# Altium PCB VESC_DEVICE.PcbDoc (part 2 of 2)
Units mil, origin at the board's own origin, x right, y up, seen from the top; angles counter-clockwise.
Board outline 2716.54 x 2125.98 mil, 4 copper layers (TOP, LAYER_1, LAYER_2, BOTTOM), stack 62.139 mil thick; 117 components, 97 nets, 397 pads, 447 vias.
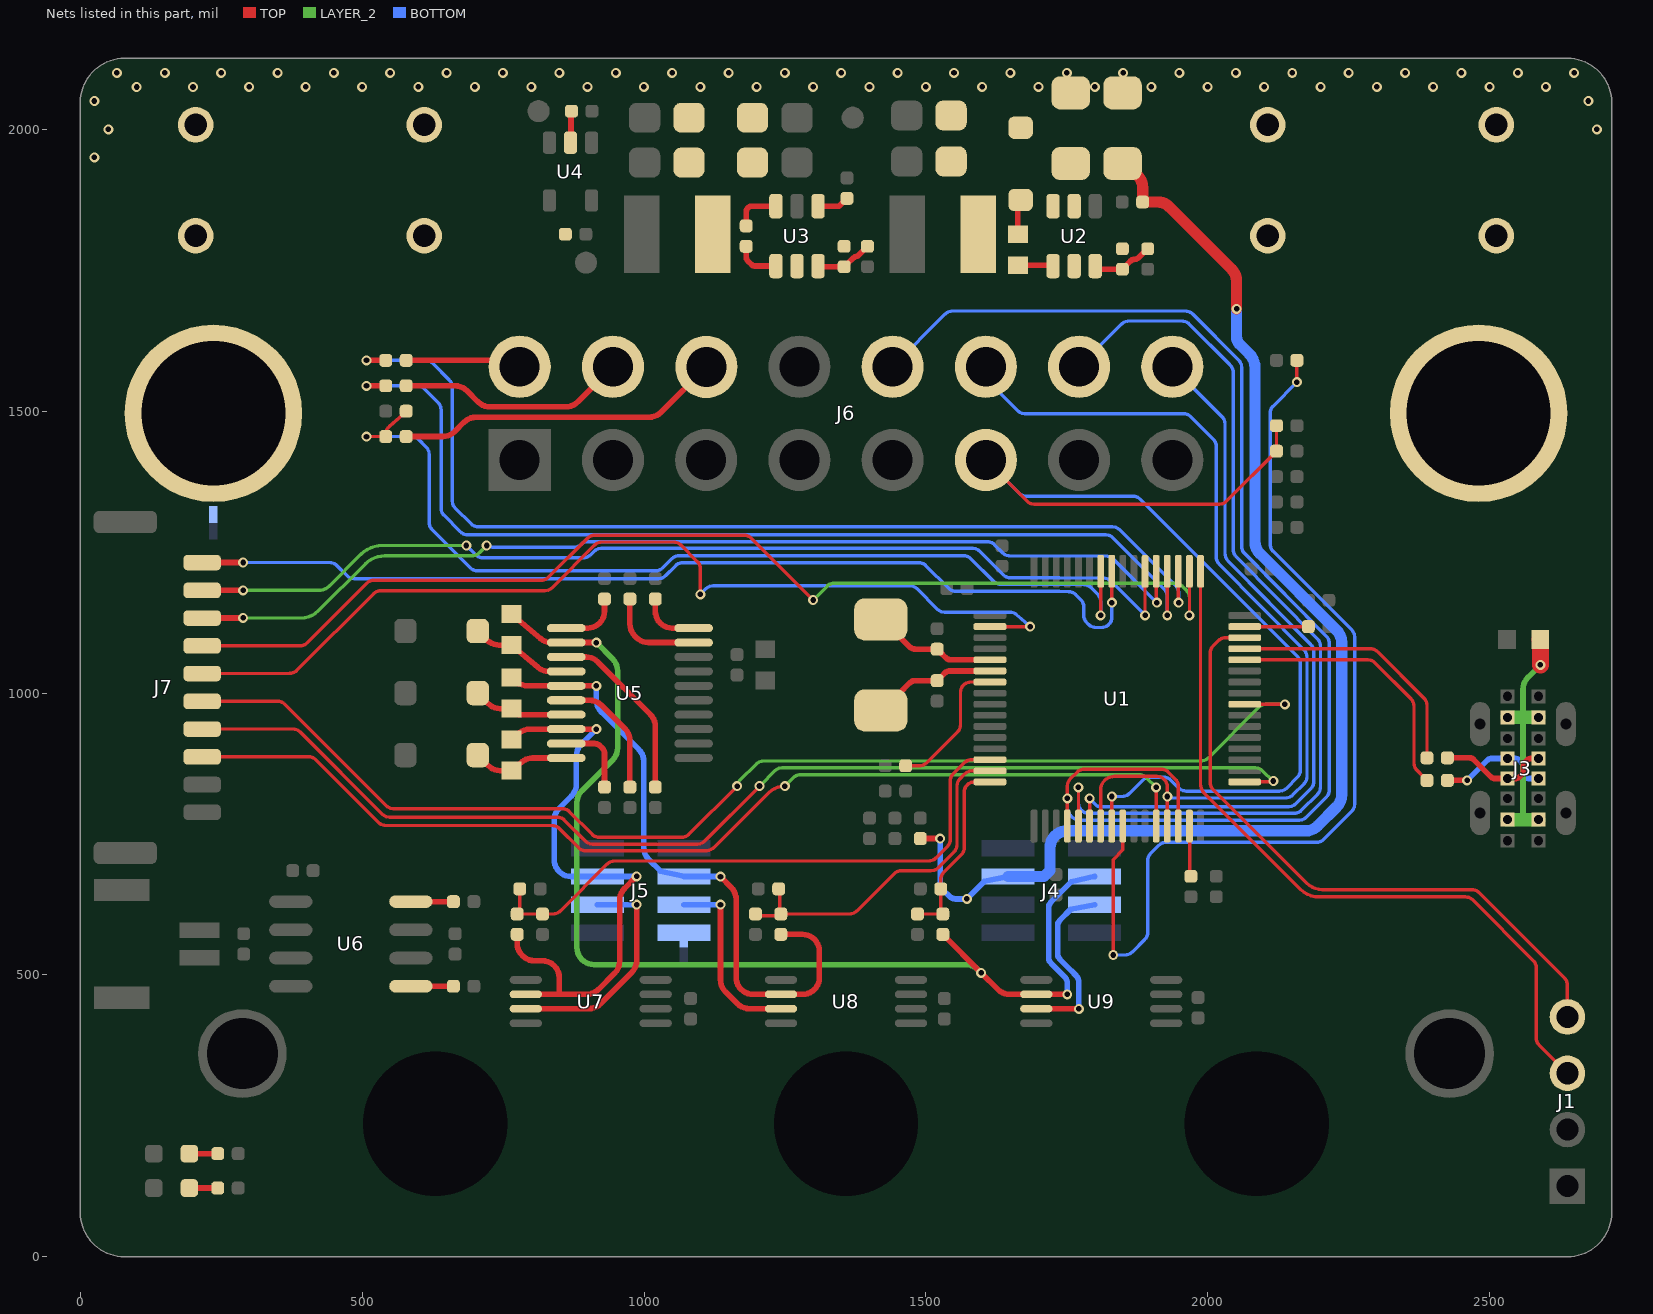
[diagram p4: the nets of this part, all layers, seen from the top]

## Via types
v1: diameter 17.72, hole 9.84, TOP to BOTTOM, tented both sides, 447 vias

## Nets (pads, with @x,y where several pads share a name; then routed paths per layer and width w, separated by ;. In a path a pad name is that pad's centre, name@x,y a point inside that pad or via, vN(x,y) a via of type N, cw(c..) or ccw(c..) an arc to the next point about the centre after c; other vN are vias at no path point) (continued)
M_TEMP: C39.1 J6.11 R37.1 U1.24 | length 1955
  TOP w6: J6.11@1606.3,1413.38 1679.36,1340.32 ccw(c1692.14,1353) 1692.14,1335 2020.3,1335 ccw(c2020.3,1353) 2033,1340.25 R37.1@2121.89,1429.13 2121.89,1434.61 C39.1@2121.89,1474.13 ; U1.24@1829.66,764.06 1829.66,809.96 cw(c1847.66,809.9) 1830,813.38 1830,814.14 1830,816.03 v1(1830,816.47)
  BOTTOM w6: J6.11@1606.3,1413.38 1665.48,1354.2 ccw(c1678.18,1366.96) 1678.18,1348.96 1867.49,1348.96 cw(c1867.49,1330.96) 1880.2,1343.71 2158.75,1065.15 cw(c2146,1052.45) 2164,1052.45 2164,863.07 cw(c2146,863.07) 2158.75,850.37 2139.77,831.39 cw(c2127.07,844.14) 2127.07,826.14 1961.52,826.14 cw(c1961.52,844.14) 1948.8,831.4 1934.69,845.51 ccw(c1921.98,832.76) 1921.98,850.76 1897.42,850.76 ccw(c1897.42,832.76) 1884.72,845.51 1860.92,821.72 cw(c1848.22,834.47) 1848.22,816.47 v1(1830,816.47)
MISO_ADC_EXT2: J6.16 U1.22 | length 1280
  TOP w6: U1.22@1790.29,764.06 v1(1790.29,813.38)
  BOTTOM w6: v1(1790.29,813.38) 1803.32,800.35 ccw(c1807.54,804.61) 1807.54,798.61 2143.63,798.61 ccw(c2143.63,816.61) 2156.34,803.86 2182.75,830.27 ccw(c2170,842.98) 2188,842.98 2188,1073.45 ccw(c2170,1073.45) 2182.8,1086.1 2035.66,1235.01 cw(c2048.45,1247.68) 2030.45,1247.68 2030.45,1477.54 ccw(c2012.45,1477.54) 2025.2,1490.25 J6.16@1958.68,1556.77
NetC4_2: C4.2 U1.5 Y1.2 | length 219.8
  TOP w10: Y1.2@1422.42,1130.71 Y1.2@1442.58,1112 ; Y1.2@1442.58,1111.97 ccw(c1456.29,1118.06) 1445.63,1107.51 1470.92,1082.22 ccw(c1481.52,1092.83) 1481.52,1077.83 C4.2@1520,1077.83 1525.48,1072.35 1534.58,1063.25 ccw(c1545.18,1073.86) 1545.18,1058.86 U1.5@1613.6,1058.86
NetC5_2: C5.2 U1.6 Y1.1 | length 222.8
  TOP w10: Y1.1@1420,969.3 1448.55,988 cw(c1463.51,989.16) 1452.86,999.72 1470.8,1017.66 cw(c1481.4,1007.05) 1481.4,1022.05 C5.2@1520,1022.05 1532.77,1034.81 cw(c1543.37,1024.2) 1543.37,1039.2 U1.6@1613.6,1039.17
NetC14_1: C14.1 U1.31 | length 89
  TOP w6: U1.31@1968,763.6 1968,680.48 C14.1@1970,675
NetC15_1: C15.1 U1.47 | length 113.1
  TOP w6: U1.47@2065.41,1117.91 C15.1@2178.48,1117.91
NetC16_1: C16.1 D3.1 L2.1 U2.6 | length 62.7
  TOP w10: C16.1@1662.99,1813.89 1662.99,1869.57 D3.1@1667.99,1874.57
NetC16_2: C16.2 U2.1 | length 63.1
  TOP w10: C16.2@1662.99,1758.7 1724.21,1758.7 U2.1@1725.54,1757.37
NetC17_1: C17.1 L1.1 U3.6 | length 83.4
  TOP w10: C17.1@1181.18,1828.58 1181.18,1853.57 cw(c1191.18,1853.57) 1191.18,1863.57 U3.6@1233.91,1863.57
NetC17_2: C17.2 U3.1 | length 79.8
  TOP w10: C17.2@1181.18,1792.36 1181.18,1773.61 ccw(c1191.18,1773.61) 1184.09,1766.56 1190.36,1760.28 ccw(c1197.42,1767.37) 1197.42,1757.37 U3.1@1233.91,1757.37
NetD1_2: D1.2 R10.2 | length 50.4
  TOP w10: D1.2@193.5,183 R10.2@243.89,183
NetD2_2: D2.2 R11.2 | length 50.4
  TOP w10: D2.2@193.5,122 238.41,122 R11.2@243.89,122
NetJ3_A4: J3.A4 J3.A9 J3.B4 J3.B9 R27.1 | length 551.5
  TOP w30: R27.1@2589.6,1095 2590,1093 v1(2590,1050)
  LAYER_2 w10: 2559.06,775.59 2559.06,956.69 2559.06,1006.64 cw(c2589.06,1006.64) 2567.84,1027.84 v1(2590,1050)
  LAYER_2 w24: J3.A4@2531.5,775.59 2559.06,775.59 J3.B9@2586.62,775.59 ; J3.A9@2531.5,956.69 2531.7,956.69 2559.06,956.69 2586.42,956.69 J3.B4@2586.62,956.69
  BOTTOM w20: J3.A4@2531.5,775.59 J3.B9@2586.62,775.59 ; J3.A9@2531.5,956.69 2533.7,956.69 2584.42,956.69 J3.B4@2586.62,956.69
NetJ3_A6: J3.A6 J3.B6 R28.1 | length 198.7
  TOP w10: R28.1@2425,885 2464.57,885 cw(c2464.57,875) 2471.62,882.09 2502.4,851.31 ccw(c2509.43,858.42) 2509.43,848.42 2546.1,848.42 ccw(c2546.1,858.42) 2553.15,851.34 2557.09,855.27 ccw(c2550,862.32) 2560,862.32 2560,870.86 cw(c2570,870.86) 2562.91,877.91 2565.95,880.95 cw(c2573.01,873.87) 2573.01,883.87 J3.B6@2586.62,883.87
NetJ3_A7: J3.A7 J3.B7 R29.1 | length 202.3
  TOP w10: R29.1@2425,845 v1(2460,845)
  BOTTOM w10: v1(2460,845) 2495.95,880.95 cw(c2503.01,873.87) 2503.01,883.87 2545.92,883.87 cw(c2545.92,873.87) 2552.98,880.95 2555.89,878.04 cw(c2548.8,870.99) 2558.8,870.99 2558.8,858.77 ccw(c2568.8,858.77) 2561.71,851.71 2562.09,851.34 ccw(c2569.14,858.42) 2569.14,848.42 J3.B7@2586.62,848.42
NetJ5_8: J5.8 JP2.1
NetJ6_2: J6.2 R31.1 | length 206.1
  TOP w10: R31.1@578.11,1590 768.28,1590 J6.2@779.53,1578.75
NetJ6_4: J6.4 R32.1 | length 407.9
  TOP w10: R32.1@578.11,1545 664.72,1545 cw(c664.72,1515) 685.92,1536.23 705.8,1516.35 ccw(c726.97,1537.6) 726.97,1507.6 861.31,1507.6 ccw(c861.31,1537.6) 882.51,1516.38 J6.4@944.88,1578.75
NetJ6_6: J6.6 R30.1 | length 579.8
  TOP w10: R30.1@578.11,1455 643,1455 ccw(c643,1485) 664.2,1463.77 680.88,1480.45 cw(c702.08,1459.23) 702.08,1489.23 1009.05,1489.23 ccw(c1009.05,1519.23) 1030.26,1498.02 J6.6@1110.63,1578.38
NetR13_1: R13.1 R17.2 U2.3 | length 100.7
  TOP w10: U2.3@1806.24,1751.78 R17.2@1848.44,1751.78 1862.93,1766.27 cw(c1869.98,1759.18) 1869.82,1769.18 1869.98,1769.18 ccw(c1869.82,1779.18) 1876.87,1772.09 1885.42,1780.64 cw(c1892.47,1773.55) 1886.08,1781.24 1886.92,1781.94 cw(c1893.32,1774.25) 1887.96,1782.69 R13.1@1892.78,1788
NetR14_2: R14.2 U3.4 | length 57
  TOP w10: U3.4@1308.71,1863.57 1345.59,1863.57 1359.48,1877.46 R14.2@1359.98,1877.46
NetR15_1: R15.1 R16.2 U3.3 | length 101.3
  TOP w10: U3.3@1308.71,1757.37 1314.61,1756.26 R16.2@1354.98,1756.26 ; R16.2@1355.56,1756.33 1360.46,1761.25 ccw(c1353.78,1768.7) 1360.83,1761.6 1370.4,1771.17 cw(c1377.46,1764.09) 1373.89,1773.43 1377.34,1774.74 ccw(c1373.77,1784.09) 1380.83,1777 R15.1@1396.31,1792.48
NetR18_2: R18.2 U5.13 | length 321.4
  TOP w10: U5.13@862,1064 889.15,1064 896.76,1064 cw(c896.76,1034) 917.97,1055.23 1011.23,961.96 cw(c990,940.76) 1020,940.76 1020,838.59 R18.2@1020,833.11
NetR19_2: R19.2 U5.9 | length 175.8
  TOP w10: R19.2@975,1166.89 975,1122.43 ccw(c1005,1122.43) 983.73,1101.27 986.63,1098.37 ccw(c1007.83,1119.6) 1007.83,1089.6 U5.9@1088,1089.6
NetR20_1: R20.1 U6.1 | length 75.4
  TOP w10: U6.1@586.5,480 656.41,480 R20.1@661.89,480
NetR22_2: R22.2 U5.16 | length 229.7
  TOP w10: U5.16@862,987.2 889.15,987.2 903.19,987.2 cw(c903.19,957.2) 924.39,978.43 966.23,936.59 cw(c945,915.39) 975,915.39 975,838.59 R22.2@975,833.11
NetR23_1: R23.1 U6.4 | length 75.4
  TOP w10: U6.4@586.5,630 656.41,630 R23.1@661.89,630
NetR24_2: R24.2 U5.10 | length 106.8
  TOP w10: R24.2@1020,1166.89 1020,1161.41 1020,1145.2 ccw(c1050,1145.2) 1050,1115.2 U5.10@1088,1115.2
NetR25_2: R25.2 U5.19 | length 136.9
  TOP w10: U5.19@862,910.4 911.64,910.4 cw(c911.64,895.4) 922.22,906.03 925.61,902.65 cw(c915,892.04) 930,892.04 930,838.59 R25.2@930,833.11
NetR26_2: R26.2 U5.11 | length 106.8
  TOP w10: U5.11@862,1115.2 900,1115.2 ccw(c900,1145.2) 930,1145.2 R26.2@930,1166.89
NRST: C6.1 U1.7 | length 250.4
  TOP w6: C6.1@1464.11,871 1488.54,871 ccw(c1488.54,889) 1501.25,876.25 1556.2,931.2 ccw(c1543.45,943.9) 1561.45,943.9 1561.45,1001.5 cw(c1579.45,1001.5) 1579.45,1019.5 U1.7@1613.6,1019.49
PA15: J7.4 U1.50 | length 2011.2
  TOP w6: J7.4@216.29,1083.82 389.95,1083.82 ccw(c389.95,1101.82) 402.65,1089.06 508.34,1194.75 cw(c521.04,1182) 521.04,1200 817.54,1200 ccw(c817.54,1218) 830.25,1205.25 899.75,1274.75 cw(c912.46,1262) 912.46,1280 1177.54,1280 cw(c1177.54,1262) 1190.27,1274.73 v1(1300,1165) ; v1(1967.46,1137.6) U1.50@1967.46,1215.87
  LAYER_2 w6: v1(1300,1165) 1324.75,1189.75 cw(c1337.46,1177) 1337.46,1195 1941.71,1195 cw(c1941.71,1177) 1954.41,1189.75 1962.21,1181.95 cw(c1949.46,1169.25) 1967.46,1169.25 v1(1967.46,1137.6)
PB2: J7.8 U1.28 | length 1887.8
  TOP w6: J7.8@216.29,886.97 404.93,886.97 cw(c404.93,868.97) 417.63,881.72 529.14,770.21 ccw(c541.81,783) 541.81,765 837.18,765 cw(c837.18,747) 849.89,759.75 884.42,725.22 ccw(c897.1,738) 897.1,720 1107.54,720 ccw(c1107.54,745.73) 1125.7,727.5 1221.32,823.12 cw(c1250,794.44) v1(1250,835) ; U1.28@1908.4,764.06 v1(1908.4,832.64)
  LAYER_2 w6: v1(1250,835) 1265.04,850.04 cw(c1277.75,837.29) 1277.75,855.29 1878.29,855.29 cw(c1878.29,837.29) 1891.02,850.02 v1(1908.4,832.64)
PB5: J7.1 U1.57 | length 1786.3
  TOP w6: U1.57@1829.66,1215.87 1829.66,1162.27 ccw(c1847.66,1162.27) v1(1829.76,1160.37)
  TOP w10: J7.1@216.29,1231.45 286.74,1231.46 ccw(c286.66,1261.46) 288.49,1231.51 v1(288.88,1231.54)
  BOTTOM w6: v1(288.88,1231.54) 442.54,1231.54 cw(c442.54,1213.54) 455.27,1226.26 473.4,1208.13 ccw(c486.12,1220.88) 486.12,1202.88 1025.42,1202.88 ccw(c1025.42,1220.88) 1038.13,1208.13 1056.13,1226.13 cw(c1068.83,1213.38) 1068.83,1231.38 1487.16,1231.38 cw(c1487.16,1213.38) 1499.86,1226.13 1540.15,1185.83 ccw(c1552.83,1198.62) 1552.83,1180.62 1735.83,1180.62 cw(c1735.83,1150.62) 1736.94,1180.59 1753.64,1179.97 cw(c1752.93,1161.99) 1765.63,1174.74 1774.73,1165.64 cw(c1762,1152.91) 1780,1152.92 1780,1137.8 ccw(c1798,1137.8) 1785.25,1125.09 1788.82,1121.53 ccw(c1801.52,1134.28) 1801.52,1116.28 1811.76,1116.28 ccw(c1811.76,1134.28) 1829.76,1134.28 v1(1829.76,1160.37)
PB12: J7.7 U1.33 | length 2098.1
  TOP w6: J7.7@216.29,936.18 377.51,936.18 cw(c377.51,918.18) 390.21,930.94 535.9,785.25 ccw(c548.6,798) 548.6,780 845.99,780 cw(c845.99,762) 858.69,774.75 896.22,737.23 ccw(c908.9,750) 908.9,732 1094.54,732 ccw(c1094.54,750) 1107.25,737.25 1203.25,833.25 ccw(c1190.47,845.93) v1(1204.87,835.13) ; U1.33@2065.41,842.32 2113.45,842.32 ccw(c2113.39,860.32) 2116.44,842.58 v1(2116.44,844)
  LAYER_2 w6: v1(1204.87,835.13) ccw(c1194.07,849.53) 1206.76,836.76 1232,862 cw(c1244.75,849.29) 1244.75,867.29 2084.28,867.29 cw(c2084.28,849.29) 2097,862.02 2115.73,843.29 v1(2116.44,844)
PC9: J7.6 U1.40 | length 2185.6
  TOP w6: J7.6@216.29,985.39 350.07,985.39 cw(c350.07,967.39) 362.77,980.15 542.7,800.21 ccw(c555.37,813) 555.37,795 854.8,795 cw(c854.8,777) 867.5,789.75 908.04,749.22 ccw(c920.71,762) 920.71,744 1066.54,744 ccw(c1066.54,762) 1079.25,749.25 v1(1165,835) ; U1.40@2065.41,980.12 2091.44,980.12 2133.6,980.12 cw(c2133.53,962.12) v1(2136.78,979.82)
  LAYER_2 w6: v1(1165,835) cw(c1182.8,832.35) 1170.03,845.03 1199.1,874.1 cw(c1211.85,861.39) 1211.85,879.39 1987.77,879.39 ccw(c1987.77,897.39) 2000.47,884.64 2090.4,974.57 cw(c2103.11,961.82) 2103.11,979.82 v1(2136.78,979.82)
PC12: J7.3 U1.53 | length 1842.7
  TOP w6: U1.53@1908.4,1215.87 1908.4,1166.55 ccw(c1926.4,1166.55) v1(1909.49,1160.37)
  TOP w10: J7.3@216.43,1133.17 v1(288.88,1133.17)
  LAYER_2 w6: v1(288.88,1133.17) 391.81,1133.17 ccw(c391.83,1176.32) 422.3,1145.76 505.33,1228.79 cw(c540.41,1193.58) 540.41,1243.29 694.52,1243.29 ; 694.57,1243.29 ccw(c694.57,1262.53) 708.15,1248.9 v1(720.94,1261.69)
  BOTTOM w6: v1(720.94,1261.69) ccw(c730.63,1276.87) 730.63,1258.87 876.41,1258.87 ccw(c876.41,1276.87) 888.33,1263.38 889.16,1264.11 cw(c901.08,1250.63) 901.08,1268.63 1608.92,1268.63 cw(c1608.92,1250.63) 1621.62,1263.38 1636.74,1248.26 ccw(c1649.42,1261.03) 1649.42,1243.03 1819.38,1243.03 cw(c1819.37,1225.03) 1832.1,1237.76 v1(1909.49,1160.37)
PC13: J7.5 U1.2 | length 1733.6
  TOP w6: J7.5@216.29,1034.61 285.21,1034.61 ccw(c285.21,1052.61) 285.26,1034.61 371.73,1034.88 ccw(c371.61,1052.88) 384.32,1040.13 520.69,1176.49 cw(c533.39,1163.74) 533.39,1181.74 824.29,1181.74 ccw(c824.29,1199.74) 836.99,1186.99 912.75,1262.75 cw(c925.46,1250) 925.46,1268 1052.31,1268 cw(c1052.31,1250) 1065.01,1262.75 1094.75,1233.01 cw(c1082,1220.31) 1100,1220.31 v1(1100,1175) ; U1.2@1613.6,1117.91 v1(1685,1117.91)
  BOTTOM w6: v1(1100,1175) 1109.75,1184.75 cw(c1122.46,1172) 1122.46,1190 1471.69,1190 cw(c1471.69,1172) 1484.39,1184.75 1520.3,1148.84 ccw(c1532.98,1161.62) 1532.98,1143.62 1648.92,1143.62 cw(c1648.92,1125.62) 1660.77,1139.17 v1(1685,1117.91)
PD2: J7.2 U1.54 | length 1840.3
  TOP w6: v1(1888.72,1137.6) U1.54@1888.72,1215.87
  TOP w10: J7.2@216.51,1182.03 v1(288.88,1182.03)
  LAYER_2 w6: v1(288.88,1182.03) 423.03,1182.03 ccw(c423.03,1208.36) 441.62,1189.7 497.81,1245.9 cw(c536.05,1207.52) 536.05,1261.69 v1(685,1261.69)
  BOTTOM w6: v1(685,1261.69) 701.45,1245.25 ccw(c714.15,1258) 714.15,1240 892.54,1240 ccw(c892.54,1258) 905.25,1245.25 911.38,1251.38 cw(c924.08,1238.63) 924.08,1256.63 1582.93,1256.63 cw(c1582.93,1238.63) 1595.63,1251.38 1637.18,1209.83 ccw(c1649.85,1222.62) 1649.85,1204.62 1735.83,1204.62 cw(c1735.83,1150.62) 1736.2,1204.61 1814.95,1204.07 cw(c1814.79,1186.07) 1827.52,1198.8 v1(1888.72,1137.6)
PGND: C18.2 C19.2 C20.2 C21.2 C22.2 C23.2 C24.2 C25.2 C26.2 C27.2 C40.2 C41.2 C42.2 C43.2 D3.2 JP1.1 R16.1 R17.1 TP9.1 U2.2 U3.2 U4.2 | length 56.8
  TOP w10: U4.2@869.59,1976.2 870.48,1977.09 870.48,2031.1 C26.2@871.38,2032 C26.2@871.59,2032.21
  other v1: 25,1950.14 50,2000 2690,2000 25,2050.19 2675,2050.19 100,2075 200,2075 299.75,2075.09 399.8,2075.09 499.85,2075.09 599.89,2075.09 699.94,2075.09 799.99,2075.09 899.71,2075.09 999.76,2075.09 1099.8,2075.09 1199.85,2075.09 1299.9,2075.09 1399.94,2075.09 1499.99,2075.09 1599.71,2075.09 1699.76,2075.09 1799.81,2075.09 1899.85,2075.09 1999.9,2075.09 2099.95,2075.09 2200,2075.09 2299.72,2075.09 2399.76,2075.09 2499.81,2075.09 2599.86,2075.09 65,2100 150,2100 249.89,2100.09 349.94,2100.09 449.99,2100.09 549.71,2100.09 649.75,2100.09 749.8,2100.09 849.85,2100.09 949.9,2100.09 1049.94,2100.09 1149.99,2100.09 1249.71,2100.09 1349.76,2100.09 1449.81,2100.09 1549.85,2100.09 1649.9,2100.09 1749.95,2100.09 1849.99,2100.09 1949.71,2100.09 2049.76,2100.09 2149.81,2100.09 2249.86,2100.09 2349.9,2100.09 2449.95,2100.09 2550,2100.09 2649.72,2100.09
PHA: J5.5 U7.3 | length 404.1
  TOP w10: U7.3@791.74,440 901.66,440 ccw(c901.66,470) 922.86,448.77 978.14,504.06 ccw(c956.92,525.26) 986.92,525.26 v1(986.92,624.6)
  BOTTOM w10: J5.5@917.32,624.61 v1(986.92,624.6)
PHB: J5.6 U8.3 | length 331.4
  TOP w10: v1(1135.64,624.6) 1135.64,491.43 ccw(c1165.64,491.43) 1144.41,470.22 1165.86,448.77 ccw(c1187.06,470) 1187.06,440 U8.3@1243.07,440
  BOTTOM w10: J5.6@1070.86,624.61 v1(1135.64,624.6)
PHC: J4.6 U9.3 | length 318
  TOP w10: U9.3@1695.82,440 v1(1771.15,440)
  BOTTOM w10: v1(1771.15,440) 1771.15,487.89 ccw(c1756.15,487.89) 1766.75,498.49 1757.7,507.54 1737.98,527.27 cw(c1748.62,537.84) 1733.62,537.84 1733.62,586.83 cw(c1748.62,586.83) 1738.01,597.43 1756.97,616.39 J4.6@1799.21,624.61
RX_SDA_NSS: J6.10 U1.20 U1.30 | length 2403.2
  TOP w6: U1.20@1750.92,764.06 1750.92,810.89 cw(c1768.92,810.89) v1(1751.09,813.38) ; v1@1750.92,813.55 1750.92,834.99 cw(c1768.92,834.99) 1756.17,847.7 1768.23,859.75 cw(c1780.93,847) 1780.93,865 1917.46,865 cw(c1917.46,847) 1930.19,859.73 1942.52,847.4 cw(c1929.77,834.69) 1947.77,834.69 1947.77,790.09 U1.30@1947.77,764.06
  BOTTOM w6: J6.10@1440.93,1578.75 1534.65,1672.47 cw(c1547.36,1659.71) 1547.36,1677.71 1960.17,1677.71 cw(c1960.17,1659.71) 1972.89,1672.46 2054.75,1590.59 cw(c2042.03,1577.86) 2060.03,1577.86 2060.03,1260.21 ccw(c2078.03,1260.21) 2065.25,1247.54 2210.38,1100.66 cw(c2197.58,1088.01) 2215.58,1088.01 2215.58,828.04 cw(c2197.58,828.04) 2210.33,815.33 2174.86,779.86 cw(c2162.15,792.61) 2162.15,774.61 1772.3,774.61 cw(c1772.3,792.61) 1759.59,779.86 1756.34,783.11 cw(c1769.09,795.81) 1751.09,795.81 v1(1751.09,813.38)
SCK_ADC_EXT: J6.14 U1.21 | length 1702.6
  TOP w6: U1.21@1770.61,764.23 v1(1770.61,832.64)
  BOTTOM w6: v1(1770.61,832.64) 1770.61,804.61 ccw(c1788.61,804.61) 1788.61,786.61 2153.17,786.61 ccw(c2153.17,804.61) 2165.87,791.86 2194.75,820.74 ccw(c2182,833.44) 2200,833.44 2200,1083.12 ccw(c2182,1083.12) 2194.8,1095.77 2050.46,1241.85 cw(c2063.24,1254.52) 2045.24,1254.52 2045.24,1567.35 ccw(c2023.42,1567.35) 2038.88,1582.74 1967.34,1654.27 ccw(c1953.54,1640.51) 1953.54,1660 1860.36,1660 ccw(c1860.36,1642) 1847.65,1654.75 J6.14@1771.65,1578.75
SERVO: C38.2 R30.2 U1.58 | length 1719
  TOP w6: v1(507.78,1455) R30.2@541.89,1455 541.97,1460.48 cw(c559.92,1459.24) 548,1472.73 572.63,1494.52 C38.2@578.11,1500 ; v1(1809.98,1137.6) U1.58@1809.98,1215.87
  BOTTOM w6: v1(507.78,1455) 587.54,1455 cw(c587.54,1437) 600.25,1449.75 613.64,1436.36 cw(c600.89,1423.66) 618.89,1423.66 618.89,1302.55 ccw(c636.89,1302.55) 624.14,1289.85 691.9,1222.08 ccw(c704.61,1234.83) 704.61,1216.83 1020.42,1216.83 ccw(c1020.42,1234.83) 1033.13,1222.08 1049.46,1238.41 cw(c1062.17,1225.66) 1062.17,1243.66 1567.2,1243.66 cw(c1567.2,1225.66) 1579.91,1238.41 1620.49,1197.83 ccw(c1633.16,1210.62) 1633.16,1192.62 1735.83,1192.62 cw(c1735.83,1150.62) 1736.52,1192.61 1780.94,1191.87 cw(c1780.64,1173.88) 1793.37,1186.61 1804.7,1175.27 cw(c1791.98,1162.54) 1809.98,1162.54 v1(1809.98,1137.6)
SHA: C32.1 J5.3 R1.2 U5.18 U7.2 | length 1090.2
  TOP w10: C32.1@765,917.6 777.7,928.35 778.99,929.39 cw(c797.78,906) 797.78,936 U5.18@862,936 v1(915.53,936) ; R1.2@775,571.89 775,555.95 ccw(c805,555.95) 783.73,534.8 784.62,533.9 ccw(c805.82,555.13) 805.82,525.13 819.67,525.13 cw(c819.67,495.13) 849.67,495.13 849.67,465.6 ; U7.2@790.31,465.6 849.67,465.6 ; v1(986.92,674.92) 965.49,653.5 ccw(c986.72,632.29) 956.72,632.29 956.72,524.2 cw(c926.72,524.2) 947.94,503 919.31,474.37 cw(c898.11,495.6) 898.11,465.6 849.67,465.6
  BOTTOM w10: v1(915.53,936) 888.85,909.32 ccw(c910.07,888.12) 880.07,888.12 880.07,838.52 cw(c850.07,838.52) 871.3,817.31 849.49,795.5 ccw(c870.71,774.3) 840.71,774.3 840.71,704.61 ccw(c870.71,704.61) 870.71,674.61 982.64,674.61 ccw(c982.57,704.61) v1(986.92,674.92)
SHB: C30.1 J5.4 R2.2 U5.15 U8.2 | length 1137.2
  TOP w10: C30.1@765,1027.6 777.7,1016.85 784.05,1014.56 ccw(c794.18,1042.8) 794.18,1012.8 U5.15@862,1012.8 v1(915.53,1012.8) ; v1(1135.64,674.31) 1154.72,655.23 cw(c1133.51,634.01) 1163.51,634.02 1163.51,495.6 ccw(c1193.51,495.6) 1193.51,465.6 1281.1,465.6 ccw(c1281.1,495.6) 1311.1,495.6 1311.1,541.89 ccw(c1281.1,541.89) 1281.1,571.89 R2.2@1242.65,571.89
  BOTTOM w10: v1(915.53,1012.8) 915.53,987.51 ccw(c945.53,987.51) 924.27,966.35 990.78,899.83 cw(c969.57,878.62) 999.57,878.62 999.57,726.03 ccw(c1029.57,726.03) 1008.3,704.87 1029,684.17 J5.4@1070.86,674.61 1131.5,674.61 cw(c1131.42,644.61) v1(1135.64,674.31)
SHC: C28.1 J4.4 R3.2 U5.12 U9.2 | length 2023.7
  TOP w10: C28.1@765,1140.2 777.7,1129.45 816.39,1096.7 ccw(c835.77,1119.6) 833.93,1089.65 834.85,1089.6 U5.12@862,1089.6 v1(915.53,1089.6) ; R3.2@1530,571.89 v1(1598.01,503.85) ; v1(1598.01,503.85) 1627.56,474.33 ccw(c1648.72,495.6) 1648.72,465.6 U9.2@1695.82,465.6 v1(1750.72,465.6)
  LAYER_2 w10: v1(915.53,1089.6) 944.43,1060.7 ; 944.43,881.39 889.78,826.74 ccw(c911,805.54) 881,805.54 881,548.66 ccw(c911,548.66) 889.78,527.45 890.2,527.03 ccw(c911.4,548.26) 911.4,518.26 1571.21,518.26 cw(c1571.21,488.26) 1592.41,509.48 1597.28,504.61 cw(c1576.09,483.37) v1(1598.01,503.85) ; 944.43,881.39 ccw(c923.2,902.59) 953.2,902.59 953.2,1039.5 ccw(c923.2,1039.5) 944.43,1060.7
  BOTTOM w10: v1(1750.72,465.6) 1750.72,485.69 ccw(c1735.72,485.69) 1746.36,496.26 1722.01,520.61 cw(c1732.62,531.21) 1717.62,531.21 1717.62,618.85 cw(c1732.62,618.85) 1722.01,629.45 1757.6,665.04 J4.4@1799.21,674.61
SHUTDOWN: R36.1 U1.25 | length 1724.3
  TOP w6: v1(1832.3,535.37) 1832.3,704.67 1849.35,721.72 U1.25@1849.35,764.06 ; v1(2158.14,1551.38) R36.1@2158.11,1590
  BOTTOM w6: v1(1832.3,535.37) 1853.34,535.37 ccw(c1853.34,553.37) 1866.04,540.62 1888.26,562.83 ccw(c1875.5,575.54) 1893.5,575.54 1893.5,702.85 cw(c1911.5,702.85) 1898.75,715.56 1913.41,730.21 cw(c1926.11,717.46) 1926.11,735.46 2193.11,735.46 ccw(c2193.11,753.46) 2205.81,740.71 2255.12,790.01 ccw(c2242.36,802.71) 2260.36,802.71 2260.36,1099.56 ccw(c2242.36,1099.56) 2255.14,1112.24 2115.8,1251.58 cw(c2128.55,1264.29) 2110.55,1264.29 2110.55,1496.33 cw(c2128.55,1496.33) 2115.8,1509.04 v1(2158.14,1551.38)
SWCLK: J1.3 U1.49 | length 1322.4
  TOP w6: 1987.14,838.81 ccw(c2010.55,838.81) 1993.95,822.31 1994.04,822.22 2164.17,652.09 ccw(c2197.36,685.28) 2197.45,638.34 2457.12,638.34 cw(c2457.12,620.34) 2469.83,633.09 2577.4,525.52 cw(c2564.65,512.82) 2582.65,512.82 2582.65,388.2 ccw(c2600.65,388.2) 2587.89,375.49 J1.3@2637.8,325.59 ; 1987.14,838.85 U1.49@1987.14,1215.87
SWDIO: J1.4 U1.46 | length 1148.2
  TOP w6: U1.46@2065.41,1098.23 2031.58,1098.23 ccw(c2031.58,1080.23) 2018.88,1092.98 2009.69,1083.79 ccw(c2022.44,1071.09) 2004.44,1071.09 2004.44,841.16 ccw(c2022.44,841.16) 2009.69,828.45 2175.23,662.91 ccw(c2203.32,690.99) 2203.35,651.28 ; 2203.4,651.28 2468.59,651.28 cw(c2468.59,633.28) 2481.29,646.03 2632.55,494.78 cw(c2619.8,482.07) 2637.8,482.07 J1.4@2637.8,425.59
TX_SCL_MOSI: J6.12 U1.23 U1.29 | length 1674.9
  TOP w6: U1.23@1809.98,764.06 1809.98,828.03 cw(c1834.04,828.03) 1834.04,852.1 1909.79,852.1 cw(c1909.79,833.8) 1928.09,833.8 v1@1928.09,816.47 ; U1.29@1928.09,764.06 v1@1928.09,816.47 ; v1(1928.39,816.47) v1@1928.09,816.47
  BOTTOM w6: J6.12@1606.3,1578.75 1606.3,1564.78 ccw(c1624.3,1564.78) 1611.54,1552.08 1662.78,1500.85 ccw(c1675.48,1513.6) 1675.48,1495.6 1956.94,1495.6 cw(c1956.94,1477.6) 1969.72,1490.28 2009.7,1450.3 cw(c1997,1437.54) 2015,1437.54 2015,1241.38 ccw(c2033,1241.38) 2020.21,1228.71 2170.8,1076.32 cw(c2158,1063.67) 2176,1063.67 2176,851.8 cw(c2158,851.8) 2170.75,839.09 2151.05,819.39 cw(c2137.4,833.09) 2137.4,813.75 1931.1,813.75 v1(1928.39,816.47)
UART_RX: R32.2 U1.52 | length 1832.1
  TOP w6: v1(1928.09,1137.6) U1.52@1928.09,1215.87
  TOP w10: v1(507.78,1545) R32.2@541.89,1545
  BOTTOM w6: v1(507.78,1545) 597.54,1545 cw(c597.54,1527) 610.25,1539.75 634.75,1515.25 cw(c622,1502.54) 640,1502.54 640,1327.73 ccw(c658,1327.73) 645.25,1315.03 674.4,1285.88 ccw(c687.1,1298.63) 687.1,1280.63 1818.94,1280.63 cw(c1818.94,1262.63) 1831.64,1275.38 1922.84,1184.18 cw(c1910.09,1171.48) 1928.09,1171.48 v1(1928.09,1137.6)
UART_TX: R31.2 U1.51 | length 1844.9
  TOP w6: U1.51@1947.77,1215.87 1947.77,1164.98 ccw(c1965.77,1164.98) v1(1948.37,1160.37)
  TOP w10: v1(507.78,1590) R31.2@541.89,1590
  BOTTOM w6: v1(507.78,1590) 612.54,1590 cw(c612.54,1572) 625.25,1584.75 654.75,1555.25 cw(c642,1542.54) 660,1542.54 660,1340.7 ccw(c678,1340.7) 665.25,1327.99 693.19,1300.05 ccw(c705.89,1312.81) 705.89,1294.81 1830.95,1294.81 cw(c1830.95,1276.81) 1843.66,1289.56 1943.12,1190.09 cw(c1930.37,1177.39) 1948.37,1177.39 v1(1948.37,1160.37)
USB_DM: R29.2 U1.44 | length 476.7
  TOP w6: U1.44@2066.4,1058.9 2283.64,1058.9 cw(c2283.64,1040.9) 2296.35,1053.65 2360.58,989.42 cw(c2347.83,976.72) 2365.83,976.72 2365.83,875.41 ccw(c2383.83,875.41) 2371.08,862.7 2383.3,850.48 R29.2@2388.78,845
USB_DP: R28.2 U1.45 | length 460.9
  TOP w6: U1.45@2065.41,1078.54 2288.38,1078.54 cw(c2288.38,1060.54) 2301.08,1073.29 2383.53,990.85 cw(c2370.78,978.14) 2388.78,978.14 2388.78,890.48 R28.2@2388.78,885
VB1: C32.2 D6.1 U5.20 | length 174.6
  TOP w10: D6.1@705,890 714.85,878.2 726.19,869.05 ccw(c745.02,892.4) 745.02,862.4 C32.2@765,862.4 777.7,873.15 783.07,877.7 cw(c802.45,854.8) 802.45,884.8 U5.20@862,884.8
VB2: C30.2 D5.1 U5.17 | length 171.2
  TOP w10: D5.1@705,1000 714.85,988.2 726.19,979.05 ccw(c745.02,1002.4) 745.02,972.4 C30.2@765,972.4 777.7,961.65 790.05,961.6 834.85,961.6 U5.17@862,961.6
VB3: C28.2 D4.1 U5.14 | length 182.3
  TOP w10: D4.1@705,1110 714.85,1098.2 725.83,1090.47 ccw(c743.1,1115) 743.1,1085 C28.2@765,1085 777.7,1074.25 811.66,1045.5 ccw(c831.05,1068.4) 831.05,1038.4 U5.14@862,1038.4
VBAT: C40.1 C41.1 C42.1 C43.1 TP8.1
VIN: C20.1 C21.1 J4.3 R8.2 R12.2 U2.5 | length 2244
  TOP w10: R8.2@1490,741.89 v1(1525.35,741.89)
  TOP w20: C20.1@1848.91,1939.32 C20.1@1868.28,1924.69 ; C20.1@1868.32,1924.67 cw(c1851.11,1900.09) 1872.32,1921.31 1875.55,1918.07 cw(c1854.42,1896.78) 1884.42,1896.78 R12.2@1884.42,1870.95 1910.75,1870.95 cw(c1910.75,1840.95) 1931.96,1862.18 2042.3,1751.84 cw(c2021.07,1730.64) 2051.07,1730.64 v1(2051.07,1681.38)
  BOTTOM w10: v1(1525.35,741.89) 1525.35,662.39 ccw(c1540.35,662.39) 1529.7,651.82 1542.37,639.15 ccw(c1552.98,649.75) 1552.98,634.75 v1(1572.81,634.75) ; v1@1572.81,635.17 1603.43,665.78 J4.3@1645.67,674.61
  BOTTOM w20: J4.3@1645.67,674.61 1709.41,674.61 1720.24,685.44 1720.24,725.61 cw(c1750.24,725.61) 1750.24,755.61 2173.69,755.61 ccw(c2173.69,785.61) 2194.89,764.39 2228.76,798.25 ccw(c2207.53,819.45) 2237.53,819.45 2237.53,1089.86 ccw(c2207.53,1089.86) 2228.75,1111.07 2092.57,1247.25 cw(c2113.75,1268.5) 2083.75,1268.5 2083.75,1576.73 ccw(c2047.94,1576.73) 2073.26,1602.05 2056.02,1619.29 cw(c2067.97,1631.24) 2051.07,1631.24 v1(2051.07,1681.38)
VOLTAGE_A: C1.2 R1.1 R4.2 U1.14 | length 1056.6
  TOP w6: C1.2@779.68,652.63 779.68,608.11 838.77,608.11 ccw(c838.77,626.11) 851.47,613.36 934.97,696.85 cw(c947.67,684.1) 947.67,702.1 1505,702.1 ccw(c1505,720.1) 1517.71,707.35 1537.96,727.6 ccw(c1525.2,740.3) 1543.2,740.3 1543.2,843.96 cw(c1561.2,843.96) 1548.45,856.66 1568.24,876.44 cw(c1580.94,863.69) 1580.94,881.69 U1.14@1613.6,881.69
VOLTAGE_B: C2.2 R2.1 R5.2 U1.15 | length 628.4
  TOP w6: R5.2@1197.65,605.09 R2.1@1242.65,605.09 ; C2.2@1238.83,649.61 1240.74,647.15 R2.1@1240.74,608.11 ; R2.1@1242.65,608.11 1364.61,608.11 ccw(c1364.61,626.11) 1377.31,613.36 1443.62,679.67 cw(c1456.32,666.92) 1456.32,684.92 1509.07,684.92 ccw(c1509.07,702.92) 1521.78,690.16 1550,718.38 ccw(c1537.24,731.09) 1555.24,731.09 1555.24,835.26 cw(c1573.24,835.26) 1560.49,847.96 1569.29,856.76 cw(c1581.99,844.01) 1581.99,862.01 U1.15@1613.6,862.01
VOLTAGE_C: C3.2 R3.1 R6.2 U1.16 | length 329.2
  TOP w6: R6.2@1485,608.11 1526.34,608.11 1526.34,669.12 cw(c1544.34,669.12) 1531.59,681.82 1562.72,712.95 ccw(c1549.97,725.66) 1567.97,725.66 1567.97,824.32 cw(c1585.97,824.32) 1585.97,842.32 U1.16@1613.6,842.32
pads on no net: J3.A5 J3.A8 J3.B5 J3.B8 TP5.1 TP6.1 TP7.1 U1.3 U1.4 U1.55 U1.56 U4.4 U7.1 U8.1 U9.1

## Polygon pours and split planes (outlines as drawn)
GND on TOP "GND_L01_P039" (solid, remove dead copper, pour order 39): 0,78.74 0,2047.24 cw(c78.74,2047.24) 78.74,2125.98 2637.8,2125.98 cw(c2637.8,2047.24) 2716.54,2047.24 2716.54,78.74 cw(c2637.8,78.74) 2637.8,0 78.74,0 cw(c78.74,78.74)
PGND on TOP "TOP-PGND" (solid, remove dead copper, pour order 30): 2279.53,1310.05 2710.29,1310.05 2710.29,1919.86 2710.29,2124.26 -6.24,2124.26 -6.24,1331.91 437.01,1331.91 437.01,1703.65 2279.53,1703.65
3V3 on TOP "3V3_L01_P038" (solid, pour order 38): 2031.76,414.4 cw(c2023.8,414.39) 2023.8,406.44 1901.31,406.44 cw(c1901.31,412.45) 1895.3,412.45 1895.3,445.4 cw(c1901.34,445.4) 1901.34,451.44 1952.69,451.44 cw(c1952.69,444.06) 1960.07,444.05 1960.07,440.45 ccw(c1965.33,440.44) 1965.33,435.19 2023.31,435.19 cw(c2023.31,426.75) 2031.76,426.74
3V3 on TOP "3V3_L01_P037" (solid, pour order 37): 1580.27,414.02 cw(c1572.31,414.01) 1572.31,406.06 1449.82,406.06 cw(c1449.82,412.07) 1443.81,412.08 1443.81,445.02 cw(c1449.85,445.02) 1449.85,451.06 1501.2,451.06 cw(c1501.2,443.68) 1508.58,443.68 1508.58,440.07 ccw(c1513.84,440.07) 1513.84,434.81 1571.82,434.81 cw(c1571.82,426.37) 1580.27,426.37
3V3 on TOP "3V3_L01_P012" (solid, pour order 12): 1127.17,414.32 cw(c1119.22,414.32) 1119.22,406.37 996.73,406.37 cw(c996.73,412.38) 990.72,412.38 990.72,445.33 cw(c996.75,445.33) 996.75,451.37 1048.11,451.37 cw(c1048.11,443.99) 1055.49,443.98 1055.49,440.38 ccw(c1060.75,440.37) 1060.75,435.12 1118.73,435.12 cw(c1118.73,426.67) 1127.17,426.67
3V3 on TOP "3V3_L01_P017" (solid, pour order 17): 2163.36,1248.7 2163.71,1248.7 ccw(c2163.69,1257.96) 2172.95,1257.98 2172.95,1435.97 ccw(c2166.3,1435.94) 2166.25,1442.59 2149.96,1442.59 ccw(c2149.96,1436.24) 2143.61,1436.24 2143.6,1281.7 cw(c2131.9,1281.7) 2131.9,1270 2111.72,1270 ccw(c2111.72,1258.41) 2100.14,1258.41 2100.14,1215.11 ccw(c2107.93,1215.04) 2107.94,1207.24 2119.27,1207.24 ccw(c2119.27,1214.27) 2126.3,1214.28 2126.3,1240.99 cw(c2134.01,1240.99) 2134.03,1248.7
5V on TOP "TOP-5V" (solid, pour order 6): 945,2014 cw(c945,2007.5) 951.49,2007.5 951.49,1749.98 ccw(c957.47,1749.98) 957.47,1744 1027.33,1744 1030.44,1744 ccw(c1030.44,1749.63) 1036.07,1749.63 1036.07,2038.91 ccw(c1024.46,2038.92) 1024.46,2050.53 1024.23,2050.53 902.88,2050.53 ccw(c902.88,2041.49) 893.84,2041.49 893.84,2032.98 893.84,2022.63 ccw(c902.47,2022.63) 902.47,2014
NetC16_1 on TOP "NETC16_1_L01_P004" (solid, pour order 4): 1643.34,1837.89 ccw(c1643.34,1831.4) 1636.84,1831.4 1636.84,1828.98 1636.84,1749.63 cw(c1626.85,1749.62) 1626.84,1739.63 1566.84,1739.63 cw(c1566.84,1749.63) 1556.84,1749.63 1556.84,1884.63 cw(c1566.84,1884.63) 1566.84,1894.63 1731.84,1894.63 cw(c1731.84,1884.63) 1741.84,1884.63 1741.84,1845.61 cw(c1734.13,1845.61) 1734.13,1837.89
12V on TOP "TOP-12V" (solid, pour order 8): 1490,2054.5 cw(c1490,2044.12) 1500.39,2044.12 1500.39,2040 1500.38,1748.17 cw(c1491.84,1748.17) 1491.84,1739.63 1441.84,1739.63 cw(c1441.84,1748.24) 1433.24,1748.24 1433.24,1888.24 ccw(c1420.52,1888.24) 1420.52,1900.95 1293.17,1900.95 ccw(c1293.17,1894.09) 1286.31,1894.09 1286.31,1844.09 cw(c1281.85,1844.09) 1281.84,1839.63 1261.84,1839.63 cw(c1261.84,1843.16) 1258.31,1843.16 1258.31,1889.36 ccw(c1230.34,1889.37) 1250.11,1909.15 1245.96,1913.3 cw(c1254.79,1922.12) 1242.31,1922.12 1242.31,2043.71 cw(c1253.1,2043.71) 1253.1,2054.5
3V3 on TOP "3V3_L01_P016" (solid, pour order 16): 911.84,1894.63 886.85,1894.63 ccw(c886.84,1889.63) 881.84,1889.63 881.84,1807.96 ccw(c890.93,1807.96) 890.93,1798.88 912.05,1798.88 ccw(c912.05,1807.02) 920.19,1807.02 920.19,1886.28 ccw(c911.85,1886.28)
VIN on TOP "TOP-VIN" (solid, pour order 5): 1776.31,1844.13 cw(c1770.07,1844.13) 1770.07,1837.89 1754.52,1837.89 cw(c1754.52,1844.08) 1748.34,1844.08 1748.34,1884.63 ccw(c1727.91,1884.63) 1728.22,1905.05 1722.97,1905.05 cw(c1722.97,1912.73) 1715.3,1912.58 1715.3,1963.08 cw(c1728.17,1963.08) 1728.17,1975.95 1890.52,1975.95 cw(c1890.52,1965.17) 1901.31,1965.16 1901.31,1914.09 cw(c1892.27,1914.09) 1892.27,1905.05 1791.91,1905.05 ccw(c1791.9,1889.46) 1776.31,1889.45
NetC17_1 on TOP "NETC17_1_L01_P015" (solid, pour order 15): 1081.84,1749.63 1081.84,1879.63 cw(c1091.84,1879.63) 1091.84,1889.63 1241.84,1889.63 cw(c1241.84,1879.63) 1251.84,1879.63 1251.84,1824.63 cw(c1241.85,1824.63) 1241.84,1814.63 1171.84,1814.63 ccw(c1171.84,1804.63) 1161.84,1804.63 1161.84,1749.63 cw(c1151.84,1749.63) 1151.84,1739.63 1091.84,1739.63 cw(c1091.84,1749.63)
no net on Top Overlay "Bottom Overlay-No Net" (solid): 256 vertices, not listed, extent 2082.87,723.17 2270.63,804.93
no net on Top Overlay "Bottom Overlay-No Net" (solid): 192 vertices, not listed, extent 2202.96,704.96 2257.05,771.95
no net on Top Overlay "Bottom Overlay-No Net" (solid): 225 vertices, not listed, extent 2138.55,704.96 2210.17,771.95
GND on BOTTOM "GND_L04_P024" (solid, remove dead copper, pour order 24): 0,78.74 0,2047.24 cw(c78.74,2047.24) 78.74,2125.98 2637.8,2125.98 cw(c2637.8,2047.24) 2716.54,2047.24 2716.54,78.74 cw(c2637.8,78.74) 2637.8,0 78.74,0 cw(c78.74,78.74)
PGND on BOTTOM "PGND_L04_P023" (solid, pour order 23): -6.24,1308.32 -6.24,2124.26 2710.29,2124.26 2710.29,1919.86 437.01,1919.86 437.01,1308.32
VBAT on BOTTOM "LAYER_2-COM" (solid, pour order 19): 2710.29,1310.05 2279.53,1310.05 2279.53,1763.31 151.82,1763.31 151.82,1940.95 2710.29,1940.94
GND on LAYER_1 "GND_L02_P034" (solid, remove dead copper, pour order 34): 0,78.74 0,2047.24 cw(c78.74,2047.24) 78.74,2125.98 2637.8,2125.98 cw(c2637.8,2047.24) 2716.54,2047.24 2716.54,78.74 cw(c2637.8,78.74) 2637.8,0 78.74,0 cw(c78.74,78.74)
PGND on LAYER_1 "PGND_L02_P033" (solid, pour order 33): -6.24,1308.32 -6.24,2124.26 2710.29,2124.26 2710.29,1919.86 437.01,1919.86 437.01,1308.32
VBAT on LAYER_1 "LAYER_2-COM" (solid, pour order 7): 2710.29,1310.05 2279.53,1310.05 2279.53,1763.31 151.82,1763.31 151.82,1940.95 2710.29,1940.94
GND on LAYER_2 "GND_L03_P032" (solid, remove dead copper, pour order 32): 0,78.74 0,2047.24 cw(c78.74,2047.24) 78.74,2125.98 2637.8,2125.98 cw(c2637.8,2047.24) 2716.54,2047.24 2716.54,78.74 cw(c2637.8,78.74) 2637.8,0 78.74,0 cw(c78.74,78.74)
PGND on LAYER_2 "PGND_L03_P031" (solid, pour order 31): -6.24,1308.32 -6.24,2124.26 2710.29,2124.26 2710.29,1919.86 437.01,1919.86 437.01,1308.32
VBAT on LAYER_2 "LAYER_2-COM" (solid, pour order 27): 2710.29,1310.05 2279.53,1310.05 2279.53,1763.31 151.82,1763.31 151.82,1940.95 2710.29,1940.94
VBAT on Bottom Solder "LAYER_2-COM" (solid, pour order 35): 2710.29,1310.05 2279.53,1310.05 2279.53,1763.31 151.82,1763.31 151.82,1940.95 2710.29,1940.94
PGND on Bottom Solder "PGND_L04_P036" (solid, pour order 36): -6.24,1308.32 -6.24,2124.26 2710.29,2124.26 2710.29,1919.86 437.01,1919.86 437.01,1308.32

## Keep-outs
Keep-Out Layer:
  the board outline again, w1

## Silkscreen, mask and mechanical layers (free items; w line width, h text height)
Top Overlay:
  drawing of 6 lines, arcs and shapes, not listed
  text "5V" at 788.51,2066.99 h50
  text "12V" at 1330.02,2060.57 h50
  text "3.3V" at 779.45,1746.28 h50
  text "GND" at 468.94,1405 h100 r90
  text "VBAT" at 2308.94,1375 h100 r90
  text "MAX 60V" at 2370,1270.64 h60
  text "USB" at 2482.35,1141.83 h70
  text "GPIO" at 346.92,882.7 h70 r90
  text "DEBUG" at 2451.93,497.63 h70
  text "DIO" at 2563.9,399.12 h50 r90
  text "CAN" at 24.88,357.42 h70
  text "CLK" at 2563.9,297.88 h50 r90
  text "GND" at 2563.9,187.54 h50 r90
  text "U" at 784.8,147.04 h180
  text "V" at 1516.95,147.04 h180
  text "W" at 2241.95,147.04 h180
  text "3.3V" at 2563.9,80.82 h50 r90
  text "REV B" at 2332.83,76.14 h20
  text "PS 12/24" at 2332.83,37.17 h20
Bottom Overlay:
  text "TX" at 814.97,1655.64 h60
  text "RX" at 975,1655.64 h60
  text "SERVO" at 1190,1655.64 h60
  text "P_EN" at 1340.79,1655.63 h60
  text "SDA" at 1495,1655.64 h60
  text "SCL" at 1650,1655.64 h60
  text "ADC1" at 1826.6,1655.64 h60
  text "ADC2" at 2000,1655.64 h60
  text "GND" at 835,1300.64 h60
  text "5V" at 977.64,1300.64 h60
  text "H_A" at 1163.78,1300.63 h60
  text "H_B" at 1324.8,1300.63 h60
  text "H_C" at 1489.83,1300.63 h60
  text "TEMP" at 1685.65,1301.25 h60
  text "3.3V" at 1826.6,1300.64 h60
  text "GND" at 2000,1300.64 h60
  text "Field-oriented controlleer" at 1897.21,1071.25 h100
DESIGN_OUTLINE:
  circle w5: c2086.61,236.22 r127.95
  circle w5: c1358.27,236.22 r127.95
  circle w5: c629.92,236.22 r127.95
  circle w5: c2480.32,1496.06 r127.95
  circle w5: c236.22,1496.06 r127.95
  circle w5: c2429.13,360.24 r62.99
  circle w5: c287.4,360.24 r62.99
  lines w5: 0,78.74 ccw(c78.74,78.74) 78.74,0 2637.8,0 ccw(c2637.8,78.74) 2716.54,78.74 2716.54,2047.24 ccw(c2637.8,2047.24) 2637.8,2125.98 78.74,2125.98 ccw(c78.74,2047.24) 0,2047.24 0,78.74
DRAWING_ORIGIN:
  lines w1: -25,0 25,0 ; 0,-25 0,25
Drill Drawing:
  circle w10: c158.45,2561.42 r27.55
  lines w10: 130.9,2657.83 185.99,2657.83 185.99,2712.92 130.9,2712.92 130.9,2657.83 ; 130.9,2781.78 130.9,2795.56 144.67,2809.33 130.9,2823.1 130.9,2836.88 144.67,2836.88 158.45,2823.1 172.22,2836.88 185.99,2836.88 185.99,2823.1 172.22,2809.33 185.99,2795.56 185.99,2781.78 172.22,2781.78 158.45,2795.56 144.67,2781.78 130.9,2781.78 ; 130.9,2905.74 158.45,2919.51 185.99,2905.74 172.22,2933.29 185.99,2960.83 158.45,2947.06 130.9,2960.83 144.67,2933.29 130.9,2905.74 ; 130.9,3043.47 144.67,3043.47 144.67,3029.7 172.22,3029.7 172.22,3043.47 185.99,3043.47 185.99,3071.02 172.22,3071.02 172.22,3084.79 144.67,3084.79 144.67,3071.02 130.9,3071.02 130.9,3043.47 ; 130.9,3181.2 158.45,3153.66 185.99,3181.2 158.45,3208.75 130.9,3181.2 ; 130.9,3291.39 144.67,3291.39 158.45,3277.61 172.22,3291.39 185.99,3291.39 172.22,3305.16 185.99,3318.93 172.22,3318.93 158.45,3332.71 144.67,3318.93 130.9,3318.93 144.67,3305.16 130.9,3291.39 ; 130.9,3456.66 185.99,3456.66 158.45,3401.57 130.9,3456.66
  lines w15: 80.95,2496.68 4268.57,2496.68 ; 80.95,3488.34 4268.57,3488.34 ; 399.7,2372.72 399.7,3612.3 ; 691.35,2372.72 691.35,3612.3 ; 1268.01,2372.72 1268.01,3612.3 ; 1515.21,2372.72 1515.21,3612.3 ; 1875.1,2372.72 1875.1,3612.3 ; 2367.43,2372.72 2367.43,3612.3 ; 2662.28,2372.72 2662.28,3612.3 ; 3047.54,2372.72 3047.54,3612.3 ; 3593.84,2372.72 3593.84,3612.3 ; 80.95,2372.72 4268.57,2372.72 4268.57,3612.3 80.95,3612.3 80.95,2372.72
  text "Symbol" at 155.32,3525.53 h72
  text "Count" at 436.89,3525.53 h72
  text "Hole Size" at 728.54,3525.53 h72
  text "Plated" at 1305.2,3525.53 h72
  text "Hole Type" at 1552.4,3525.53 h72
  text "Drill Layer Pair" at 1912.29,3525.53 h72
  text "Via/Pad" at 2404.61,3525.53 h72
  text "Pad Shape" at 2699.47,3525.53 h72
  text "Hole Length" at 3084.73,3525.53 h72
  text "Routed Path Length" at 3631.03,3525.53 h72
  text "2" at 436.89,3401.57 h60
  text "125.98mil (3.200mm)" at 728.54,3401.57 h60
  text "PTH" at 1305.2,3401.57 h60
  text "Round" at 1552.4,3401.57 h60
  text "TOP - BOTTOM" at 1912.29,3401.57 h60
  text "Pad" at 2404.61,3401.57 h60
  text "Rounded" at 2699.47,3401.57 h60
  text "-" at 3084.73,3401.57 h60
  text "-" at 3631.03,3401.57 h60
  text "2" at 436.89,3277.61 h60
  text "255.91mil (6.500mm)" at 728.54,3277.61 h60
  text "PTH" at 1305.2,3277.61 h60
  text "Round" at 1552.4,3277.61 h60
  text "TOP - BOTTOM" at 1912.29,3277.61 h60
  text "Pad" at 2404.61,3277.61 h60
  text "Rounded" at 2699.47,3277.61 h60
  text "-" at 3084.73,3277.61 h60
  text "-" at 3631.03,3277.61 h60
  text "3" at 436.89,3153.66 h60
  text "255.91mil (6.500mm)" at 728.54,3153.66 h60
  text "NPTH" at 1305.2,3153.66 h60
  text "Round" at 1552.4,3153.66 h60
  text "TOP - BOTTOM" at 1912.29,3153.66 h60
  text "Pad" at 2404.61,3153.66 h60
  text "Rounded" at 2699.47,3153.66 h60
  text "-" at 3084.73,3153.66 h60
  text "-" at 3631.03,3153.66 h60
  text "4" at 436.89,3029.7 h60
  text "19.69mil (0.500mm)" at 728.54,3029.7 h60
  text "PTH" at 1305.2,3029.7 h60
  text "Slot" at 1552.4,3029.7 h60
  text "TOP - BOTTOM" at 1912.29,3029.7 h60
  text "Pad" at 2404.61,3029.7 h60
  text "Rounded" at 2699.47,3029.7 h60
  text "57.09mil (1.450mm)" at 3084.73,3029.7 h60
  text "37.40mil (0.950mm)" at 3631.03,3029.7 h60
  text "12" at 436.89,2905.74 h60
  text "39.37mil (1.000mm)" at 728.54,2905.74 h60
  text "PTH" at 1305.2,2905.74 h60
  text "Round" at 1552.4,2905.74 h60
  text "TOP - BOTTOM" at 1912.29,2905.74 h60
  text "Pad" at 2404.61,2905.74 h60
  text "(Mixed)" at 2699.47,2905.74 h60
  text "-" at 3084.73,2905.74 h60
  text "-" at 3631.03,2905.74 h60
  text "16" at 436.89,2781.78 h60
  text "16.54mil (0.420mm)" at 728.54,2781.78 h60
  text "PTH" at 1305.2,2781.78 h60
  text "Round" at 1552.4,2781.78 h60
  text "TOP - BOTTOM" at 1912.29,2781.78 h60
  text "Pad" at 2404.61,2781.78 h60
  text "Rectangle" at 2699.47,2781.78 h60
  text "-" at 3084.73,2781.78 h60
  text "-" at 3631.03,2781.78 h60
  text "16" at 436.89,2657.83 h60
  text "70.87mil (1.800mm)" at 728.54,2657.83 h60
  text "PTH" at 1305.2,2657.83 h60
  text "Round" at 1552.4,2657.83 h60
  text "TOP - BOTTOM" at 1912.29,2657.83 h60
  text "Pad" at 2404.61,2657.83 h60
  text "(Mixed)" at 2699.47,2657.83 h60
  text "-" at 3084.73,2657.83 h60
  text "-" at 3631.03,2657.83 h60
  text "447" at 436.89,2533.87 h60
  text "9.84mil (0.250mm)" at 728.54,2533.87 h60
  text "PTH" at 1305.2,2533.87 h60
  text "Round" at 1552.4,2533.87 h60
  text "TOP - BOTTOM" at 1912.29,2533.87 h60
  text "Via" at 2404.61,2533.87 h60
  text "Rounded" at 2699.47,2533.87 h60
  text "-" at 3084.73,2533.87 h60
  text "-" at 3631.03,2533.87 h60
  text "502 Total" at 436.89,2409.91 h60
  text "Slot definitions :" at 155.32,2323.14 h60
  text "Routed Path Length" at 563.33,2323.14 h60
  text "= Calculated from tool start centre position to tool end centre position." at 1068.98,2323.14 h60
  text "Hole Length" at 563.33,2273.56 h60
  text "= Routed Path Length + Tool Size = Slot length as defined in the PCB layout" at 881.31,2273.56 h60

## Dimensions
2637.8,0 to 2637.8,2125.98 on Mechanical 14
0,78.74 to 2716.54,78.74 on Mechanical 14

## Text inside footprints (layer, text, board x,y; h text height)
C1: PIN_NUMBER "1" at 822.79,662.63 h25 r180; PIN_NUMBER "2" at 787.79,662.63 h25 r180
C2: PIN_NUMBER "2" at 1230.72,642.63 h25; PIN_NUMBER "1" at 1195.72,642.63 h25
C3: PIN_NUMBER "1" at 1483.23,642.63 h25; PIN_NUMBER "2" at 1518.23,642.63 h25
C4: PIN_NUMBER "2" at 1510,1085.94 h25 r270; PIN_NUMBER "1" at 1510,1120.94 h25 r270
C5: PIN_NUMBER "2" at 1530,1013.94 h25 r90; PIN_NUMBER "1" at 1530,978.94 h25 r90
C6: PIN_NUMBER "2" at 1436,881 h25 r180; PIN_NUMBER "1" at 1471,881 h25 r180
C7: PIN_NUMBER "2" at 1410,770 h25 r90; PIN_NUMBER "1" at 1410,735 h25 r90
C8: PIN_NUMBER "1" at 2221.59,1174.52 h25 r180; PIN_NUMBER "2" at 2186.59,1174.52 h25 r180
C9: PIN_NUMBER "2" at 1740.81,670.01 h25 r90; PIN_NUMBER "1" at 1740.81,635.01 h25 r90
C10: PIN_NUMBER "1" at 1421,816 h25; PIN_NUMBER "2" at 1456,816 h25
C11: PIN_NUMBER "1" at 2025,631.89 h25 r90; PIN_NUMBER "2" at 2025,666.89 h25 r90
C12: PIN_NUMBER "2" at 1565,1175 h25; PIN_NUMBER "1" at 1530,1175 h25
C13: PIN_NUMBER "1" at 1625,1268.11 h25 r270; PIN_NUMBER "2" at 1625,1233.11 h25 r270
C14: PIN_NUMBER "1" at 1960,681.89 h25 r270; PIN_NUMBER "2" at 1960,646.89 h25 r270
C15: PIN_NUMBER "1" at 2171.59,1107.91 h25; PIN_NUMBER "2" at 2206.59,1107.91 h25
C16: PIN_NUMBER "1" at 1672.99,1813.89 h25 r270; PIN_NUMBER "2" at 1672.99,1758.7 h25 r270
C17: PIN_NUMBER "1" at 1171.18,1835.47 h25 r270; PIN_NUMBER "2" at 1171.18,1800.47 h25 r270
C18: PIN_NUMBER "1" at 1281.31,2020.48 h25 r180; PIN_NUMBER "2" at 1202.51,2020.48 h25 r180
C19: PIN_NUMBER "2" at 1202.51,1940.95 h25 r180; PIN_NUMBER "1" at 1281.31,1940.95 h25 r180
C20: PIN_NUMBER "1" at 1880.71,1942.92 h25 r90; PIN_NUMBER "2" at 1880.71,2072.92 h25 r90
C21: PIN_NUMBER "2" at 1788.71,2072.92 h25 r90; PIN_NUMBER "1" at 1788.71,1942.92 h25 r90
C22: PIN_NUMBER "2" at 1069.89,2020.48 h25; PIN_NUMBER "1" at 991.09,2020.48 h25
C23: PIN_NUMBER "1" at 991.09,1940.95 h25; PIN_NUMBER "2" at 1069.89,1940.95 h25
C24: PIN_NUMBER "1" at 1455.91,1942.95 h25; PIN_NUMBER "2" at 1534.71,1942.95 h25
C25: PIN_NUMBER "2" at 1534.71,2024.44 h25; PIN_NUMBER "1" at 1455.91,2024.44 h25
C26: PIN_NUMBER "2" at 879.49,2042 h25 r180; PIN_NUMBER "1" at 914.49,2042 h25 r180
C27: PIN_NUMBER "1" at 903.66,1823.89 h25 r180; PIN_NUMBER "2" at 868.66,1823.89 h25 r180
C28: PIN_NUMBER "2" at 775,1085 h25 r270; PIN_NUMBER "1" at 775,1140.2 h25 r270
C29: PIN_NUMBER "1" at 675,530 h25 r90; PIN_NUMBER "2" at 675,565 h25 r90
C30: PIN_NUMBER "1" at 775,1027.6 h25 r270; PIN_NUMBER "2" at 775,972.4 h25 r270
C31: PIN_NUMBER "2" at 405,675 h25; PIN_NUMBER "1" at 370,675 h25
C32: PIN_NUMBER "2" at 775,862.4 h25 r270; PIN_NUMBER "1" at 775,917.6 h25 r270
C33: PIN_NUMBER "1" at 1225,1077.6 h25 r270; PIN_NUMBER "2" at 1225,1022.4 h25 r270
C34: PIN_NUMBER "1" at 1155,1075 h25 r270; PIN_NUMBER "2" at 1155,1040 h25 r270
C35: PIN_NUMBER "2" at 1972.6,431.88 h25 r270; PIN_NUMBER "1" at 1972.6,466.88 h25 r270
C36: PIN_NUMBER "1" at 1072.6,465 h25 r270; PIN_NUMBER "2" at 1072.6,430 h25 r270
C37: PIN_NUMBER "1" at 1522.6,465 h25 r270; PIN_NUMBER "2" at 1522.6,430 h25 r270
C38: PIN_NUMBER "2" at 570,1490 h25; PIN_NUMBER "1" at 535,1490 h25
C39: PIN_NUMBER "1" at 2115,1464.13 h25; PIN_NUMBER "2" at 2150,1464.13 h25
D1: PIN_NUMBER "2" at 201.4,191.2 h25; PIN_NUMBER "1" at 138.4,191.2 h25
D2: PIN_NUMBER "1" at 138.4,130.2 h25; PIN_NUMBER "2" at 201.4,130.2 h25
D3: PIN_NUMBER "2" at 1695.89,2009.57 h25 r90; PIN_NUMBER "1" at 1695.89,1883.57 h25 r90
D4: PIN_NUMBER "1" at 696,1137.9 h25 r180; PIN_NUMBER "2" at 570,1137.9 h25 r180
D5: PIN_NUMBER "2" at 570,1027.9 h25 r180; PIN_NUMBER "1" at 696,1027.9 h25 r180
D6: PIN_NUMBER "1" at 696,917.9 h25 r180; PIN_NUMBER "2" at 570,917.9 h25 r180
J1: PIN_NUMBER "1" at 2649.61,153.86 h25 r90; PIN_NUMBER "3" at 2653.54,350.71 h25 r90; PIN_NUMBER "2" at 2649.61,256.22 h25 r90; PIN_NUMBER "4" at 2653.54,453.07 h25 r90
J2: PIN_NUMBER "3" at 71.95,661.6 h25 r270; PIN_NUMBER "4" at 64.15,476.6 h25 r270; PIN_NUMBER "1" at 209.75,594.7 h25 r270; PIN_NUMBER "2" at 205.85,539.6 h25 r270
L1: PIN_NUMBER "1" at 1138.41,1825.69 h25 r180; PIN_NUMBER "2" at 1008.41,1825.69 h25 r180
L2: PIN_NUMBER "2" at 1478.6,1825.69 h25 r180; PIN_NUMBER "1" at 1608.6,1825.69 h25 r180
R1: PIN_NUMBER "2" at 785,573 h25 r270; PIN_NUMBER "1" at 785,607 h25 r270
R2: PIN_NUMBER "1" at 1252.65,607 h25 r270; PIN_NUMBER "2" at 1252.65,573 h25 r270
R3: PIN_NUMBER "2" at 1540,573 h25 r270; PIN_NUMBER "1" at 1540,607 h25 r270
R4: PIN_NUMBER "1" at 810,573 h25 r90; PIN_NUMBER "2" at 810,607 h25 r90
R5: PIN_NUMBER "1" at 1187.65,573 h25 r90; PIN_NUMBER "2" at 1187.65,607 h25 r90
R6: PIN_NUMBER "2" at 1475,607 h25 r90; PIN_NUMBER "1" at 1475,573 h25 r90
R7: PIN_NUMBER "1" at 2078,1230 h25; PIN_NUMBER "2" at 2112,1230 h25
R8: PIN_NUMBER "1" at 1500,777 h25 r270; PIN_NUMBER "2" at 1500,743 h25 r270
R9: PIN_NUMBER "1" at 1435,743 h25 r90; PIN_NUMBER "2" at 1435,777 h25 r90
R10: PIN_NUMBER "2" at 245,173 h25 r180; PIN_NUMBER "1" at 279,173 h25 r180
R11: PIN_NUMBER "2" at 245,112 h25 r180; PIN_NUMBER "1" at 279,112 h25 r180
R12: PIN_NUMBER "2" at 1883.31,1880.95 h25; PIN_NUMBER "1" at 1849.31,1880.95 h25
R13: PIN_NUMBER "1" at 1903.44,1786.89 h25 r270; PIN_NUMBER "2" at 1903.44,1752.89 h25 r270
R14: PIN_NUMBER "1" at 1369.98,1912.57 h25 r270; PIN_NUMBER "2" at 1369.98,1878.57 h25 r270
R15: PIN_NUMBER "2" at 1406.31,1757.37 h25 r270; PIN_NUMBER "1" at 1406.31,1791.37 h25 r270
R16: PIN_NUMBER "2" at 1364.98,1757.37 h25 r270; PIN_NUMBER "1" at 1364.98,1791.37 h25 r270
R17: PIN_NUMBER "2" at 1858.44,1752.89 h25 r270; PIN_NUMBER "1" at 1858.44,1786.89 h25 r270
R18: PIN_NUMBER "1" at 1010,798 h25 r90; PIN_NUMBER "2" at 1010,832 h25 r90
R19: PIN_NUMBER "2" at 985,1168 h25 r270; PIN_NUMBER "1" at 985,1202 h25 r270
R20: PIN_NUMBER "1" at 663,490 h25; PIN_NUMBER "2" at 697,490 h25
R21: PIN_NUMBER "1" at 280,538 h25 r90; PIN_NUMBER "2" at 280,572 h25 r90